# Altium PCB PCB_wordclocksmall_2022-11-05.pcbdoc (part 3 of 5)
Units mm, origin at the board's own origin, x right, y up, seen from the top; angles counter-clockwise.
Board outline 235.71 x 238.24 mm, 2 copper layers (Top Layer, Bottom Layer); 312 components, 226 nets, 1026 pads, 204 vias.
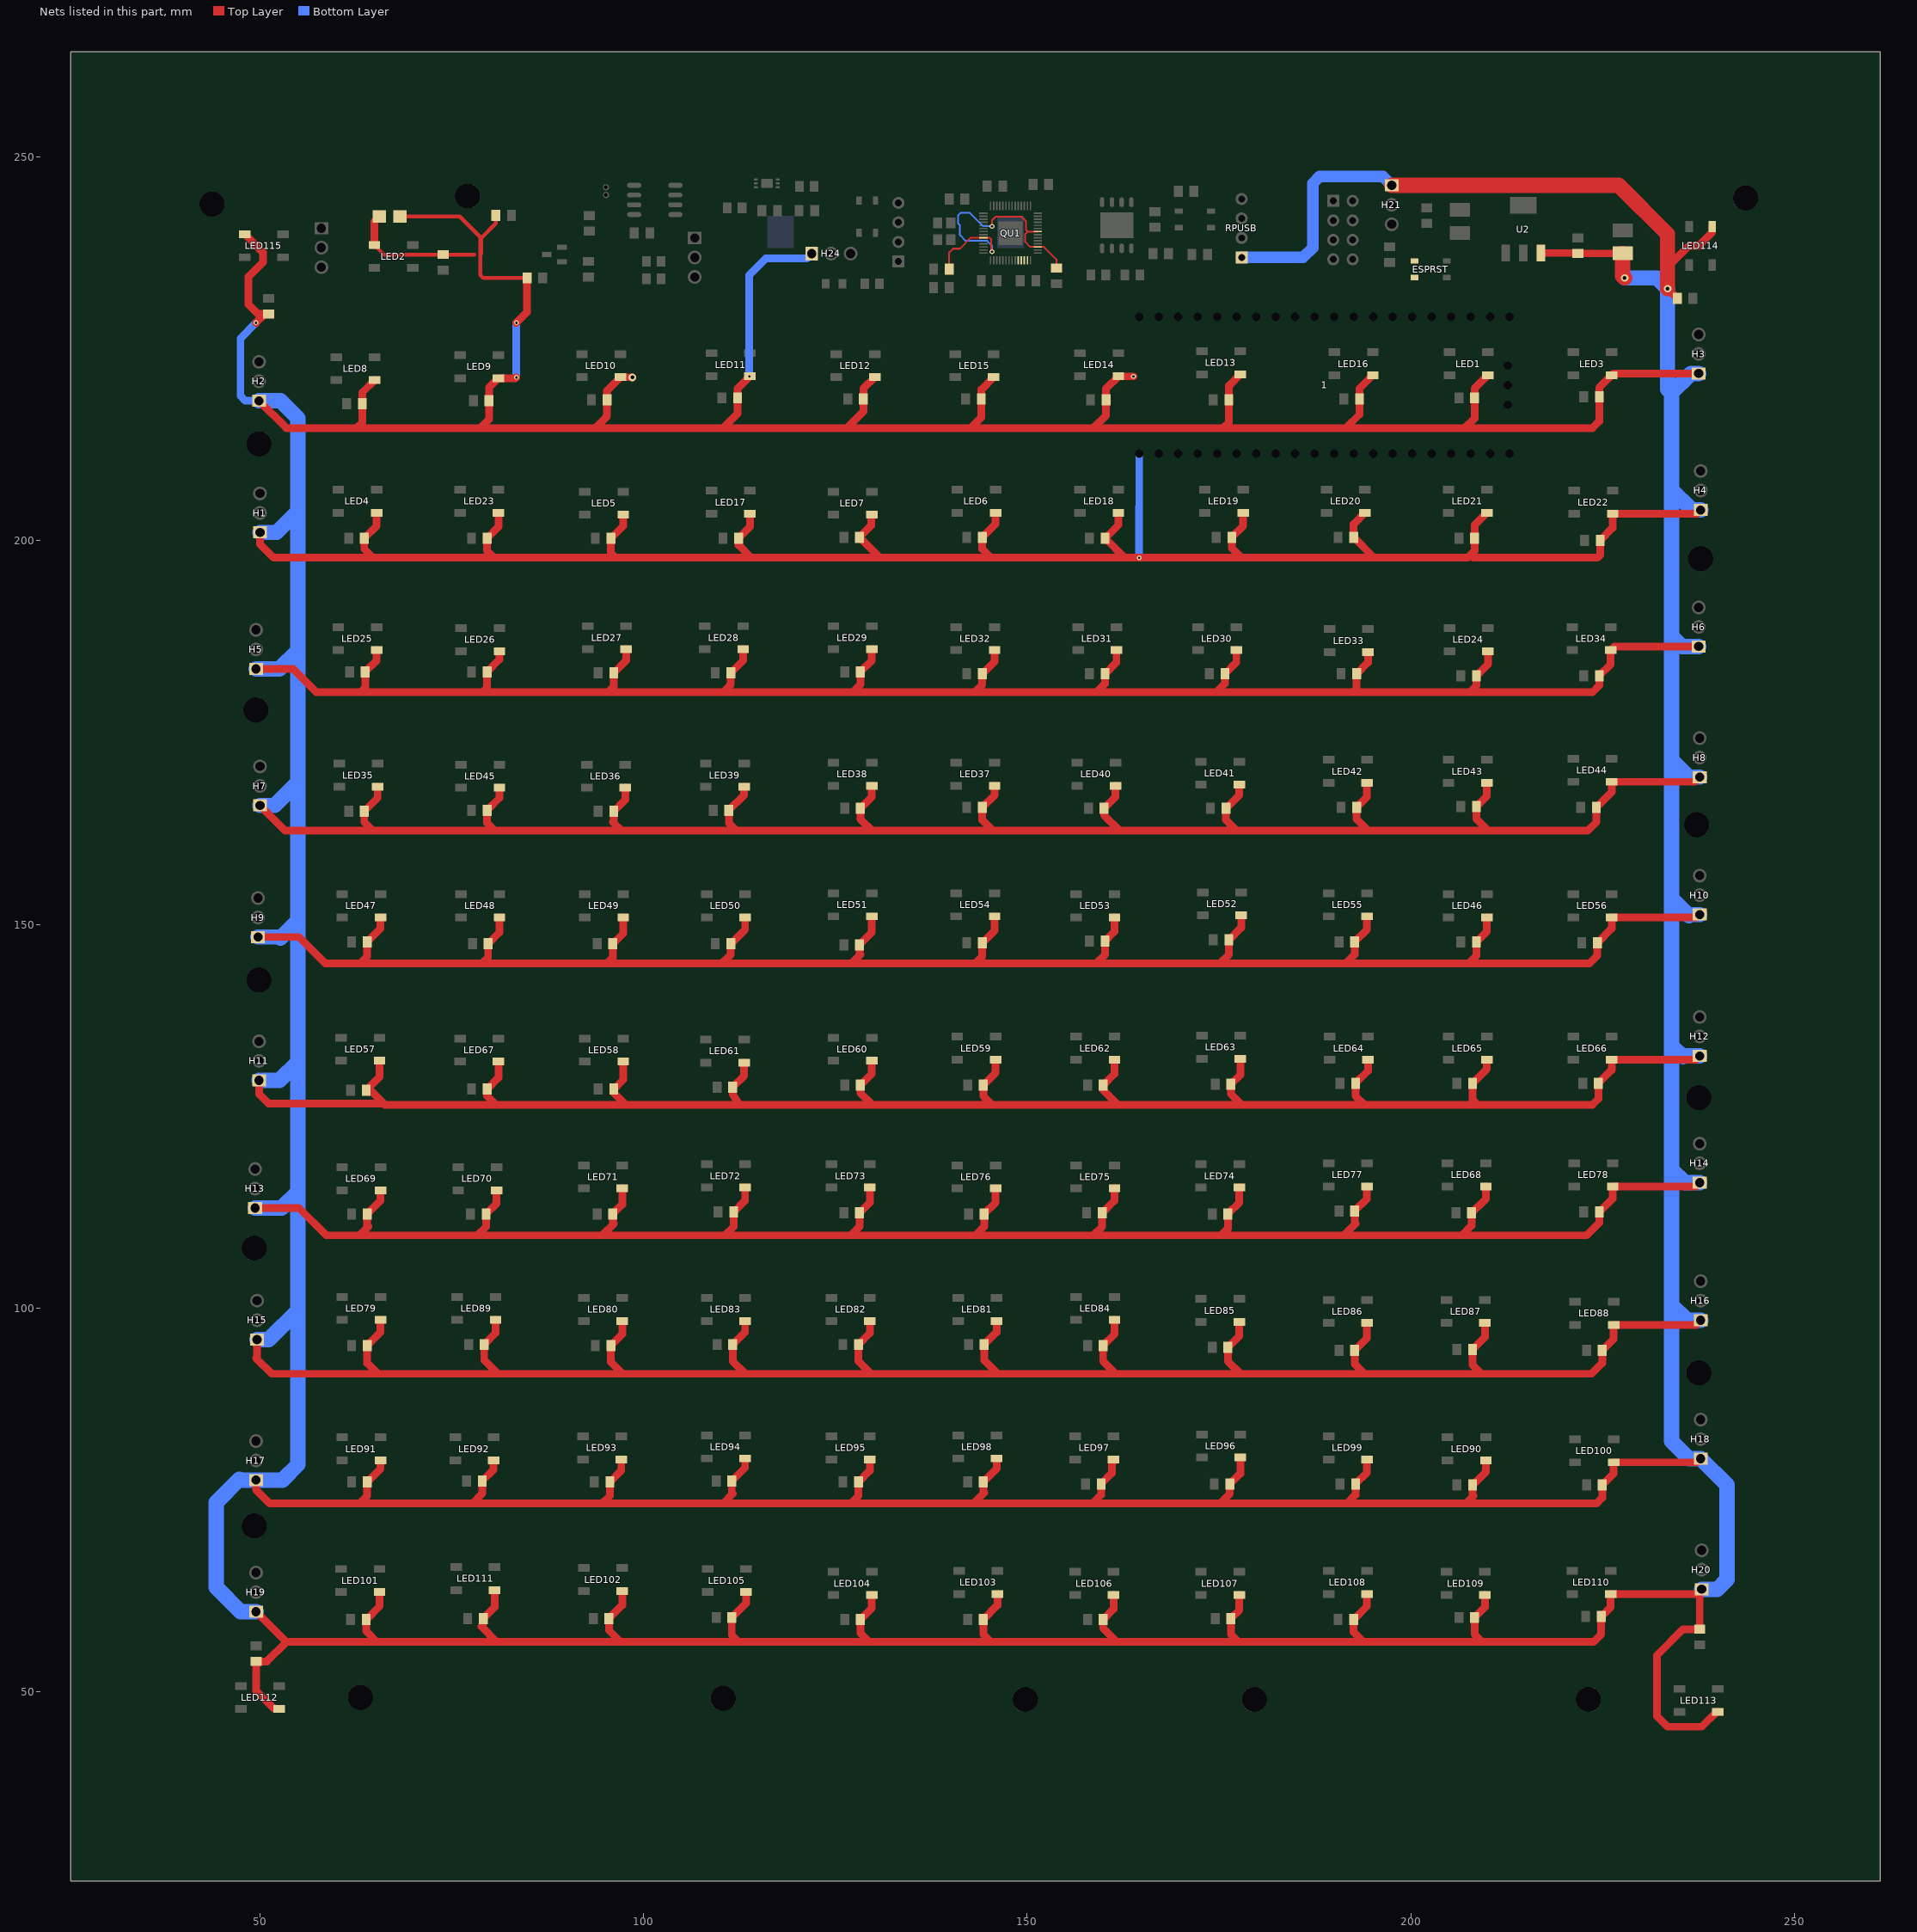
[diagram p3: the nets of this part, all layers, seen from the top]

## Footprints (in the part's own frame and the unit in brackets; to place one, negate y for a bottom-side part, rotate by r counter-clockwise, add the part's x,y. Pads: shape width x height; smd on the part's side, far side on the other; paste and mask are expansions set on the pad) (continued)
RASPBERRYPIPICO [mm] (continued)
  Bottom Layer region: -42.355,0 -42.361,-0.103 -42.381,-0.205 -42.413,-0.304 -42.457,-0.398 -42.512,-0.485 -42.579,-0.565 -42.654,-0.636 -42.738,-0.696 -42.829,-0.747 -42.925,-0.785 -43.025,-0.81 -43.128,-0.823 -43.232,-0.823 -43.334,-0.81 -43.435,-0.785 -43.531,-0.747 -43.622,-0.696 -43.706,-0.636 -43.781,-0.565 -43.847,-0.485 -43.903,-0.398 -43.947,-0.304 -43.979,-0.205 -43.998,-0.103 -44.005,0 -44.005,1.65 -43.998,1.753 -43.979,1.855 -43.947,1.954 -43.903,2.047 -43.847,2.135 -43.781,2.215 -43.706,2.286 -43.622,2.346 -43.531,2.396 -43.435,2.435 -43.334,2.46 -43.232,2.473 -43.128,2.473 -43.025,2.46 -42.925,2.435 -42.829,2.396 -42.738,2.346 -42.654,2.286 -42.579,2.215 -42.512,2.135 -42.457,2.047 -42.413,1.954 -42.381,1.855 -42.361,1.753 -42.355,1.65
  Bottom Layer region: -44.895,0 -44.901,-0.103 -44.921,-0.205 -44.953,-0.304 -44.997,-0.398 -45.052,-0.485 -45.119,-0.565 -45.194,-0.636 -45.278,-0.696 -45.369,-0.747 -45.465,-0.785 -45.565,-0.81 -45.668,-0.823 -45.772,-0.823 -45.874,-0.81 -45.975,-0.785 -46.071,-0.747 -46.162,-0.696 -46.246,-0.636 -46.321,-0.565 -46.387,-0.485 -46.443,-0.398 -46.487,-0.304 -46.519,-0.205 -46.538,-0.103 -46.545,0 -46.545,1.65 -46.538,1.753 -46.519,1.855 -46.487,1.954 -46.443,2.047 -46.387,2.135 -46.321,2.215 -46.246,2.286 -46.162,2.346 -46.071,2.396 -45.975,2.435 -45.874,2.46 -45.772,2.473 -45.668,2.473 -45.565,2.46 -45.465,2.435 -45.369,2.396 -45.278,2.346 -45.194,2.286 -45.119,2.215 -45.052,2.135 -44.997,2.047 -44.953,1.954 -44.921,1.855 -44.901,1.753 -44.895,1.65
  Bottom Layer region: -47.435,0 -47.441,-0.103 -47.461,-0.205 -47.493,-0.304 -47.537,-0.398 -47.592,-0.485 -47.659,-0.565 -47.734,-0.636 -47.818,-0.696 -47.909,-0.747 -48.005,-0.785 -48.105,-0.81 -48.208,-0.823 -48.312,-0.823 -48.414,-0.81 -48.515,-0.785 -48.611,-0.747 -48.702,-0.696 -48.786,-0.636 -48.861,-0.565 -48.927,-0.485 -48.983,-0.398 -49.027,-0.304 -49.059,-0.205 -49.078,-0.103 -49.085,0 -49.085,1.65 -49.078,1.753 -49.059,1.855 -49.027,1.954 -48.983,2.047 -48.927,2.135 -48.861,2.215 -48.786,2.286 -48.702,2.346 -48.611,2.396 -48.515,2.435 -48.414,2.46 -48.312,2.473 -48.208,2.473 -48.105,2.46 -48.005,2.435 -47.909,2.396 -47.818,2.346 -47.734,2.286 -47.659,2.215 -47.592,2.135 -47.537,2.047 -47.493,1.954 -47.461,1.855 -47.441,1.753 -47.435,1.65
  Bottom Layer region: -49.085,-17.78 -49.078,-17.677 -49.059,-17.575 -49.027,-17.476 -48.983,-17.382 -48.927,-17.295 -48.861,-17.215 -48.786,-17.144 -48.702,-17.083 -48.611,-17.033 -48.515,-16.995 -48.414,-16.969 -48.312,-16.957 -48.208,-16.957 -48.105,-16.969 -48.005,-16.995 -47.909,-17.033 -47.818,-17.083 -47.734,-17.144 -47.659,-17.215 -47.592,-17.295 -47.537,-17.382 -47.493,-17.476 -47.461,-17.575 -47.441,-17.677 -47.435,-17.78 -47.435,-19.43 -47.441,-19.533 -47.461,-19.635 -47.493,-19.734 -47.537,-19.827 -47.592,-19.915 -47.659,-19.995 -47.734,-20.066 -47.818,-20.126 -47.909,-20.176 -48.005,-20.215 -48.105,-20.24 -48.208,-20.253 -48.312,-20.253 -48.414,-20.24 -48.515,-20.215 -48.611,-20.176 -48.702,-20.126 -48.786,-20.066 -48.861,-19.995 -48.927,-19.915 -48.983,-19.827 -49.027,-19.734 -49.059,-19.635 -49.078,-19.533 -49.085,-19.43
  Bottom Layer region: -46.545,-17.78 -46.538,-17.677 -46.519,-17.575 -46.487,-17.476 -46.443,-17.382 -46.387,-17.295 -46.321,-17.215 -46.246,-17.144 -46.162,-17.083 -46.071,-17.033 -45.975,-16.995 -45.874,-16.969 -45.772,-16.957 -45.668,-16.957 -45.565,-16.969 -45.465,-16.995 -45.369,-17.033 -45.278,-17.083 -45.194,-17.144 -45.119,-17.215 -45.052,-17.295 -44.997,-17.382 -44.953,-17.476 -44.921,-17.575 -44.901,-17.677 -44.895,-17.78 -44.895,-19.43 -44.901,-19.533 -44.921,-19.635 -44.953,-19.734 -44.997,-19.827 -45.052,-19.915 -45.119,-19.995 -45.194,-20.066 -45.278,-20.126 -45.369,-20.176 -45.465,-20.215 -45.565,-20.24 -45.668,-20.253 -45.772,-20.253 -45.874,-20.24 -45.975,-20.215 -46.071,-20.176 -46.162,-20.126 -46.246,-20.066 -46.321,-19.995 -46.387,-19.915 -46.443,-19.827 -46.487,-19.734 -46.519,-19.635 -46.538,-19.533 -46.545,-19.43
  Bottom Layer region: -44.005,-17.78 -43.998,-17.677 -43.979,-17.575 -43.947,-17.476 -43.903,-17.382 -43.847,-17.295 -43.781,-17.215 -43.706,-17.144 -43.622,-17.083 -43.531,-17.033 -43.435,-16.995 -43.334,-16.969 -43.232,-16.957 -43.128,-16.957 -43.025,-16.969 -42.925,-16.995 -42.829,-17.033 -42.738,-17.083 -42.654,-17.144 -42.579,-17.215 -42.512,-17.295 -42.457,-17.382 -42.413,-17.476 -42.381,-17.575 -42.361,-17.677 -42.355,-17.78 -42.355,-19.43 -42.361,-19.533 -42.381,-19.635 -42.413,-19.734 -42.457,-19.827 -42.512,-19.915 -42.579,-19.995 -42.654,-20.066 -42.738,-20.126 -42.829,-20.176 -42.925,-20.215 -43.025,-20.24 -43.128,-20.253 -43.232,-20.253 -43.334,-20.24 -43.435,-20.215 -43.531,-20.176 -43.622,-20.126 -43.706,-20.066 -43.781,-19.995 -43.847,-19.915 -43.903,-19.827 -43.947,-19.734 -43.979,-19.635 -43.998,-19.533 -44.005,-19.43
  Bottom Layer region: -41.465,-17.78 -41.458,-17.677 -41.439,-17.575 -41.407,-17.476 -41.363,-17.382 -41.307,-17.295 -41.241,-17.215 -41.166,-17.144 -41.082,-17.083 -40.991,-17.033 -40.895,-16.995 -40.794,-16.969 -40.692,-16.957 -40.588,-16.957 -40.485,-16.969 -40.385,-16.995 -40.289,-17.033 -40.198,-17.083 -40.114,-17.144 -40.039,-17.215 -39.972,-17.295 -39.917,-17.382 -39.873,-17.476 -39.841,-17.575 -39.821,-17.677 -39.815,-17.78 -39.815,-19.43 -39.821,-19.533 -39.841,-19.635 -39.873,-19.734 -39.917,-19.827 -39.972,-19.915 -40.039,-19.995 -40.114,-20.066 -40.198,-20.126 -40.289,-20.176 -40.385,-20.215 -40.485,-20.24 -40.588,-20.253 -40.692,-20.253 -40.794,-20.24 -40.895,-20.215 -40.991,-20.176 -41.082,-20.126 -41.166,-20.066 -41.241,-19.995 -41.307,-19.915 -41.363,-19.827 -41.407,-19.734 -41.439,-19.635 -41.458,-19.533 -41.465,-19.43
  Bottom Layer region: -38.925,-17.78 -38.918,-17.677 -38.899,-17.575 -38.867,-17.476 -38.823,-17.382 -38.767,-17.295 -38.701,-17.215 -38.626,-17.144 -38.542,-17.083 -38.451,-17.033 -38.355,-16.995 -38.254,-16.969 -38.152,-16.957 -38.048,-16.957 -37.945,-16.969 -37.845,-16.995 -37.749,-17.033 -37.658,-17.083 -37.574,-17.144 -37.499,-17.215 -37.432,-17.295 -37.377,-17.382 -37.333,-17.476 -37.301,-17.575 -37.281,-17.677 -37.275,-17.78 -37.275,-19.43 -37.281,-19.533 -37.301,-19.635 -37.333,-19.734 -37.377,-19.827 -37.432,-19.915 -37.499,-19.995 -37.574,-20.066 -37.658,-20.126 -37.749,-20.176 -37.845,-20.215 -37.945,-20.24 -38.048,-20.253 -38.152,-20.253 -38.254,-20.24 -38.355,-20.215 -38.451,-20.176 -38.542,-20.126 -38.626,-20.066 -38.701,-19.995 -38.767,-19.915 -38.823,-19.827 -38.867,-19.734 -38.899,-19.635 -38.918,-19.533 -38.925,-19.43
  Bottom Layer region: -36.385,-17.78 -36.378,-17.677 -36.359,-17.575 -36.327,-17.476 -36.283,-17.382 -36.227,-17.295 -36.161,-17.215 -36.086,-17.144 -36.002,-17.083 -35.911,-17.033 -35.815,-16.995 -35.714,-16.969 -35.612,-16.957 -35.508,-16.957 -35.405,-16.969 -35.305,-16.995 -35.209,-17.033 -35.118,-17.083 -35.034,-17.144 -34.959,-17.215 -34.892,-17.295 -34.837,-17.382 -34.793,-17.476 -34.761,-17.575 -34.741,-17.677 -34.735,-17.78 -34.735,-19.43 -34.741,-19.533 -34.761,-19.635 -34.793,-19.734 -34.837,-19.827 -34.892,-19.915 -34.959,-19.995 -35.034,-20.066 -35.118,-20.126 -35.209,-20.176 -35.305,-20.215 -35.405,-20.24 -35.508,-20.253 -35.612,-20.253 -35.714,-20.24 -35.815,-20.215 -35.911,-20.176 -36.002,-20.126 -36.086,-20.066 -36.161,-19.995 -36.227,-19.915 -36.283,-19.827 -36.327,-19.734 -36.359,-19.635 -36.378,-19.533 -36.385,-19.43
  Bottom Layer region: -33.845,-17.78 -33.838,-17.677 -33.819,-17.575 -33.787,-17.476 -33.743,-17.382 -33.687,-17.295 -33.621,-17.215 -33.546,-17.144 -33.462,-17.083 -33.371,-17.033 -33.275,-16.995 -33.174,-16.969 -33.072,-16.957 -32.968,-16.957 -32.865,-16.969 -32.765,-16.995 -32.669,-17.033 -32.578,-17.083 -32.494,-17.144 -32.419,-17.215 -32.352,-17.295 -32.297,-17.382 -32.253,-17.476 -32.221,-17.575 -32.201,-17.677 -32.195,-17.78 -32.195,-19.43 -32.201,-19.533 -32.221,-19.635 -32.253,-19.734 -32.297,-19.827 -32.352,-19.915 -32.419,-19.995 -32.494,-20.066 -32.578,-20.126 -32.669,-20.176 -32.765,-20.215 -32.865,-20.24 -32.968,-20.253 -33.072,-20.253 -33.174,-20.24 -33.275,-20.215 -33.371,-20.176 -33.462,-20.126 -33.546,-20.066 -33.621,-19.995 -33.687,-19.915 -33.743,-19.827 -33.787,-19.734 -33.819,-19.635 -33.838,-19.533 -33.845,-19.43
  Bottom Layer region: -31.305,-17.78 -31.298,-17.677 -31.279,-17.575 -31.247,-17.476 -31.203,-17.382 -31.147,-17.295 -31.081,-17.215 -31.006,-17.144 -30.922,-17.083 -30.831,-17.033 -30.735,-16.995 -30.634,-16.969 -30.532,-16.957 -30.428,-16.957 -30.325,-16.969 -30.225,-16.995 -30.129,-17.033 -30.038,-17.083 -29.954,-17.144 -29.879,-17.215 -29.812,-17.295 -29.757,-17.382 -29.713,-17.476 -29.681,-17.575 -29.661,-17.677 -29.655,-17.78 -29.655,-19.43 -29.661,-19.533 -29.681,-19.635 -29.713,-19.734 -29.757,-19.827 -29.812,-19.915 -29.879,-19.995 -29.954,-20.066 -30.038,-20.126 -30.129,-20.176 -30.225,-20.215 -30.325,-20.24 -30.428,-20.253 -30.532,-20.253 -30.634,-20.24 -30.735,-20.215 -30.831,-20.176 -30.922,-20.126 -31.006,-20.066 -31.081,-19.995 -31.147,-19.915 -31.203,-19.827 -31.247,-19.734 -31.279,-19.635 -31.298,-19.533 -31.305,-19.43
  Bottom Layer region: -28.765,-17.78 -28.758,-17.677 -28.739,-17.575 -28.707,-17.476 -28.663,-17.382 -28.607,-17.295 -28.541,-17.215 -28.466,-17.144 -28.382,-17.083 -28.291,-17.033 -28.195,-16.995 -28.094,-16.969 -27.992,-16.957 -27.888,-16.957 -27.785,-16.969 -27.685,-16.995 -27.589,-17.033 -27.498,-17.083 -27.414,-17.144 -27.339,-17.215 -27.272,-17.295 -27.217,-17.382 -27.173,-17.476 -27.141,-17.575 -27.121,-17.677 -27.115,-17.78 -27.115,-19.43 -27.121,-19.533 -27.141,-19.635 -27.173,-19.734 -27.217,-19.827 -27.272,-19.915 -27.339,-19.995 -27.414,-20.066 -27.498,-20.126 -27.589,-20.176 -27.685,-20.215 -27.785,-20.24 -27.888,-20.253 -27.992,-20.253 -28.094,-20.24 -28.195,-20.215 -28.291,-20.176 -28.382,-20.126 -28.466,-20.066 -28.541,-19.995 -28.607,-19.915 -28.663,-19.827 -28.707,-19.734 -28.739,-19.635 -28.758,-19.533 -28.765,-19.43
  Bottom Layer region: -26.225,-17.78 -26.218,-17.677 -26.199,-17.575 -26.167,-17.476 -26.123,-17.382 -26.068,-17.295 -26.001,-17.215 -25.926,-17.144 -25.842,-17.083 -25.751,-17.033 -25.655,-16.995 -25.554,-16.969 -25.452,-16.957 -25.348,-16.957 -25.245,-16.969 -25.145,-16.995 -25.049,-17.033 -24.958,-17.083 -24.874,-17.144 -24.799,-17.215 -24.732,-17.295 -24.677,-17.382 -24.633,-17.476 -24.601,-17.575 -24.581,-17.677 -24.575,-17.78 -24.575,-19.43 -24.581,-19.533 -24.601,-19.635 -24.633,-19.734 -24.677,-19.827 -24.732,-19.915 -24.799,-19.995 -24.874,-20.066 -24.958,-20.126 -25.049,-20.176 -25.145,-20.215 -25.245,-20.24 -25.348,-20.253 -25.452,-20.253 -25.554,-20.24 -25.655,-20.215 -25.751,-20.176 -25.842,-20.126 -25.926,-20.066 -26.001,-19.995 -26.068,-19.915 -26.123,-19.827 -26.167,-19.734 -26.199,-19.635 -26.218,-19.533 -26.225,-19.43
  Bottom Layer region: -23.685,-17.78 -23.678,-17.677 -23.659,-17.575 -23.627,-17.476 -23.583,-17.382 -23.528,-17.295 -23.461,-17.215 -23.386,-17.144 -23.302,-17.083 -23.211,-17.033 -23.115,-16.995 -23.014,-16.969 -22.912,-16.957 -22.808,-16.957 -22.705,-16.969 -22.605,-16.995 -22.509,-17.033 -22.418,-17.083 -22.334,-17.144 -22.259,-17.215 -22.192,-17.295 -22.137,-17.382 -22.093,-17.476 -22.061,-17.575 -22.041,-17.677 -22.035,-17.78 -22.035,-19.43 -22.041,-19.533 -22.061,-19.635 -22.093,-19.734 -22.137,-19.827 -22.192,-19.915 -22.259,-19.995 -22.334,-20.066 -22.418,-20.126 -22.509,-20.176 -22.605,-20.215 -22.705,-20.24 -22.808,-20.253 -22.912,-20.253 -23.014,-20.24 -23.115,-20.215 -23.211,-20.176 -23.302,-20.126 -23.386,-20.066 -23.461,-19.995 -23.528,-19.915 -23.583,-19.827 -23.627,-19.734 -23.659,-19.635 -23.678,-19.533 -23.685,-19.43
  Bottom Layer region: -21.145,-17.78 -21.138,-17.677 -21.119,-17.575 -21.087,-17.476 -21.043,-17.382 -20.988,-17.295 -20.921,-17.215 -20.846,-17.144 -20.762,-17.083 -20.671,-17.033 -20.575,-16.995 -20.474,-16.969 -20.372,-16.957 -20.268,-16.957 -20.165,-16.969 -20.065,-16.995 -19.969,-17.033 -19.878,-17.083 -19.794,-17.144 -19.719,-17.215 -19.652,-17.295 -19.597,-17.382 -19.553,-17.476 -19.521,-17.575 -19.501,-17.677 -19.495,-17.78 -19.495,-19.43 -19.501,-19.533 -19.521,-19.635 -19.553,-19.734 -19.597,-19.827 -19.652,-19.915 -19.719,-19.995 -19.794,-20.066 -19.878,-20.126 -19.969,-20.176 -20.065,-20.215 -20.165,-20.24 -20.268,-20.253 -20.372,-20.253 -20.474,-20.24 -20.575,-20.215 -20.671,-20.176 -20.762,-20.126 -20.846,-20.066 -20.921,-19.995 -20.988,-19.915 -21.043,-19.827 -21.087,-19.734 -21.119,-19.635 -21.138,-19.533 -21.145,-19.43
  Bottom Layer region: -18.605,-17.78 -18.598,-17.677 -18.579,-17.575 -18.547,-17.476 -18.503,-17.382 -18.448,-17.295 -18.381,-17.215 -18.306,-17.144 -18.222,-17.083 -18.131,-17.033 -18.035,-16.995 -17.934,-16.969 -17.832,-16.957 -17.728,-16.957 -17.625,-16.969 -17.525,-16.995 -17.429,-17.033 -17.338,-17.083 -17.254,-17.144 -17.179,-17.215 -17.112,-17.295 -17.057,-17.382 -17.013,-17.476 -16.981,-17.575 -16.961,-17.677 -16.955,-17.78 -16.955,-19.43 -16.961,-19.533 -16.981,-19.635 -17.013,-19.734 -17.057,-19.827 -17.112,-19.915 -17.179,-19.995 -17.254,-20.066 -17.338,-20.126 -17.429,-20.176 -17.525,-20.215 -17.625,-20.24 -17.728,-20.253 -17.832,-20.253 -17.934,-20.24 -18.035,-20.215 -18.131,-20.176 -18.222,-20.126 -18.306,-20.066 -18.381,-19.995 -18.448,-19.915 -18.503,-19.827 -18.547,-19.734 -18.579,-19.635 -18.598,-19.533 -18.605,-19.43
  Bottom Layer region: -16.065,-17.78 -16.058,-17.677 -16.039,-17.575 -16.007,-17.476 -15.963,-17.382 -15.908,-17.295 -15.841,-17.215 -15.766,-17.144 -15.682,-17.083 -15.591,-17.033 -15.495,-16.995 -15.394,-16.969 -15.292,-16.957 -15.188,-16.957 -15.085,-16.969 -14.985,-16.995 -14.889,-17.033 -14.798,-17.083 -14.714,-17.144 -14.639,-17.215 -14.572,-17.295 -14.517,-17.382 -14.473,-17.476 -14.441,-17.575 -14.421,-17.677 -14.415,-17.78 -14.415,-19.43 -14.421,-19.533 -14.441,-19.635 -14.473,-19.734 -14.517,-19.827 -14.572,-19.915 -14.639,-19.995 -14.714,-20.066 -14.798,-20.126 -14.889,-20.176 -14.985,-20.215 -15.085,-20.24 -15.188,-20.253 -15.292,-20.253 -15.394,-20.24 -15.495,-20.215 -15.591,-20.176 -15.682,-20.126 -15.766,-20.066 -15.841,-19.995 -15.908,-19.915 -15.963,-19.827 -16.007,-19.734 -16.039,-19.635 -16.058,-19.533 -16.065,-19.43
  Bottom Layer region: -13.525,-17.78 -13.518,-17.677 -13.499,-17.575 -13.467,-17.476 -13.423,-17.382 -13.368,-17.295 -13.301,-17.215 -13.226,-17.144 -13.142,-17.083 -13.051,-17.033 -12.955,-16.995 -12.855,-16.969 -12.752,-16.957 -12.648,-16.957 -12.545,-16.969 -12.445,-16.995 -12.349,-17.033 -12.258,-17.083 -12.174,-17.144 -12.099,-17.215 -12.032,-17.295 -11.977,-17.382 -11.933,-17.476 -11.901,-17.575 -11.881,-17.677 -11.875,-17.78 -11.875,-19.43 -11.881,-19.533 -11.901,-19.635 -11.933,-19.734 -11.977,-19.827 -12.032,-19.915 -12.099,-19.995 -12.174,-20.066 -12.258,-20.126 -12.349,-20.176 -12.445,-20.215 -12.545,-20.24 -12.648,-20.253 -12.752,-20.253 -12.855,-20.24 -12.955,-20.215 -13.051,-20.176 -13.142,-20.126 -13.226,-20.066 -13.301,-19.995 -13.368,-19.915 -13.423,-19.827 -13.467,-19.734 -13.499,-19.635 -13.518,-19.533 -13.525,-19.43
  Bottom Layer region: -10.985,-17.78 -10.978,-17.677 -10.959,-17.575 -10.927,-17.476 -10.883,-17.382 -10.828,-17.295 -10.761,-17.215 -10.686,-17.144 -10.602,-17.083 -10.511,-17.033 -10.415,-16.995 -10.315,-16.969 -10.212,-16.957 -10.108,-16.957 -10.005,-16.969 -9.905,-16.995 -9.809,-17.033 -9.718,-17.083 -9.634,-17.144 -9.559,-17.215 -9.492,-17.295 -9.437,-17.382 -9.393,-17.476 -9.361,-17.575 -9.342,-17.677 -9.335,-17.78 -9.335,-19.43 -9.342,-19.533 -9.361,-19.635 -9.393,-19.734 -9.437,-19.827 -9.492,-19.915 -9.559,-19.995 -9.634,-20.066 -9.718,-20.126 -9.809,-20.176 -9.905,-20.215 -10.005,-20.24 -10.108,-20.253 -10.212,-20.253 -10.315,-20.24 -10.415,-20.215 -10.511,-20.176 -10.602,-20.126 -10.686,-20.066 -10.761,-19.995 -10.828,-19.915 -10.883,-19.827 -10.927,-19.734 -10.959,-19.635 -10.978,-19.533 -10.985,-19.43
  Bottom Layer region: -8.445,-17.78 -8.438,-17.677 -8.419,-17.575 -8.387,-17.476 -8.343,-17.382 -8.288,-17.295 -8.221,-17.215 -8.146,-17.144 -8.062,-17.083 -7.971,-17.033 -7.875,-16.995 -7.775,-16.969 -7.672,-16.957 -7.568,-16.957 -7.465,-16.969 -7.365,-16.995 -7.269,-17.033 -7.178,-17.083 -7.094,-17.144 -7.019,-17.215 -6.952,-17.295 -6.897,-17.382 -6.853,-17.476 -6.821,-17.575 -6.802,-17.677 -6.795,-17.78 -6.795,-19.43 -6.802,-19.533 -6.821,-19.635 -6.853,-19.734 -6.897,-19.827 -6.952,-19.915 -7.019,-19.995 -7.094,-20.066 -7.178,-20.126 -7.269,-20.176 -7.365,-20.215 -7.465,-20.24 -7.568,-20.253 -7.672,-20.253 -7.775,-20.24 -7.875,-20.215 -7.971,-20.176 -8.062,-20.126 -8.146,-20.066 -8.221,-19.995 -8.288,-19.915 -8.343,-19.827 -8.387,-19.734 -8.419,-19.635 -8.438,-19.533 -8.445,-19.43
  Bottom Layer region: -5.905,-17.78 -5.898,-17.677 -5.879,-17.575 -5.847,-17.476 -5.803,-17.382 -5.748,-17.295 -5.681,-17.215 -5.606,-17.144 -5.522,-17.083 -5.431,-17.033 -5.335,-16.995 -5.235,-16.969 -5.132,-16.957 -5.028,-16.957 -4.925,-16.969 -4.825,-16.995 -4.729,-17.033 -4.638,-17.083 -4.554,-17.144 -4.479,-17.215 -4.412,-17.295 -4.357,-17.382 -4.313,-17.476 -4.281,-17.575 -4.262,-17.677 -4.255,-17.78 -4.255,-19.43 -4.262,-19.533 -4.281,-19.635 -4.313,-19.734 -4.357,-19.827 -4.412,-19.915 -4.479,-19.995 -4.554,-20.066 -4.638,-20.126 -4.729,-20.176 -4.825,-20.215 -4.925,-20.24 -5.028,-20.253 -5.132,-20.253 -5.235,-20.24 -5.335,-20.215 -5.431,-20.176 -5.522,-20.126 -5.606,-20.066 -5.681,-19.995 -5.748,-19.915 -5.803,-19.827 -5.847,-19.734 -5.879,-19.635 -5.898,-19.533 -5.905,-19.43
  Bottom Layer region: -3.365,-17.78 -3.358,-17.677 -3.339,-17.575 -3.307,-17.476 -3.263,-17.382 -3.208,-17.295 -3.141,-17.215 -3.066,-17.144 -2.982,-17.083 -2.891,-17.033 -2.795,-16.995 -2.695,-16.969 -2.592,-16.957 -2.488,-16.957 -2.385,-16.969 -2.285,-16.995 -2.189,-17.033 -2.098,-17.083 -2.014,-17.144 -1.939,-17.215 -1.872,-17.295 -1.817,-17.382 -1.773,-17.476 -1.741,-17.575 -1.722,-17.677 -1.715,-17.78 -1.715,-19.43 -1.722,-19.533 -1.741,-19.635 -1.773,-19.734 -1.817,-19.827 -1.872,-19.915 -1.939,-19.995 -2.014,-20.066 -2.098,-20.126 -2.189,-20.176 -2.285,-20.215 -2.385,-20.24 -2.488,-20.253 -2.592,-20.253 -2.695,-20.24 -2.795,-20.215 -2.891,-20.176 -2.982,-20.126 -3.066,-20.066 -3.141,-19.995 -3.208,-19.915 -3.263,-19.827 -3.307,-19.734 -3.339,-19.635 -3.358,-19.533 -3.365,-19.43